# KiCad board right.kicad_pcb (continued)
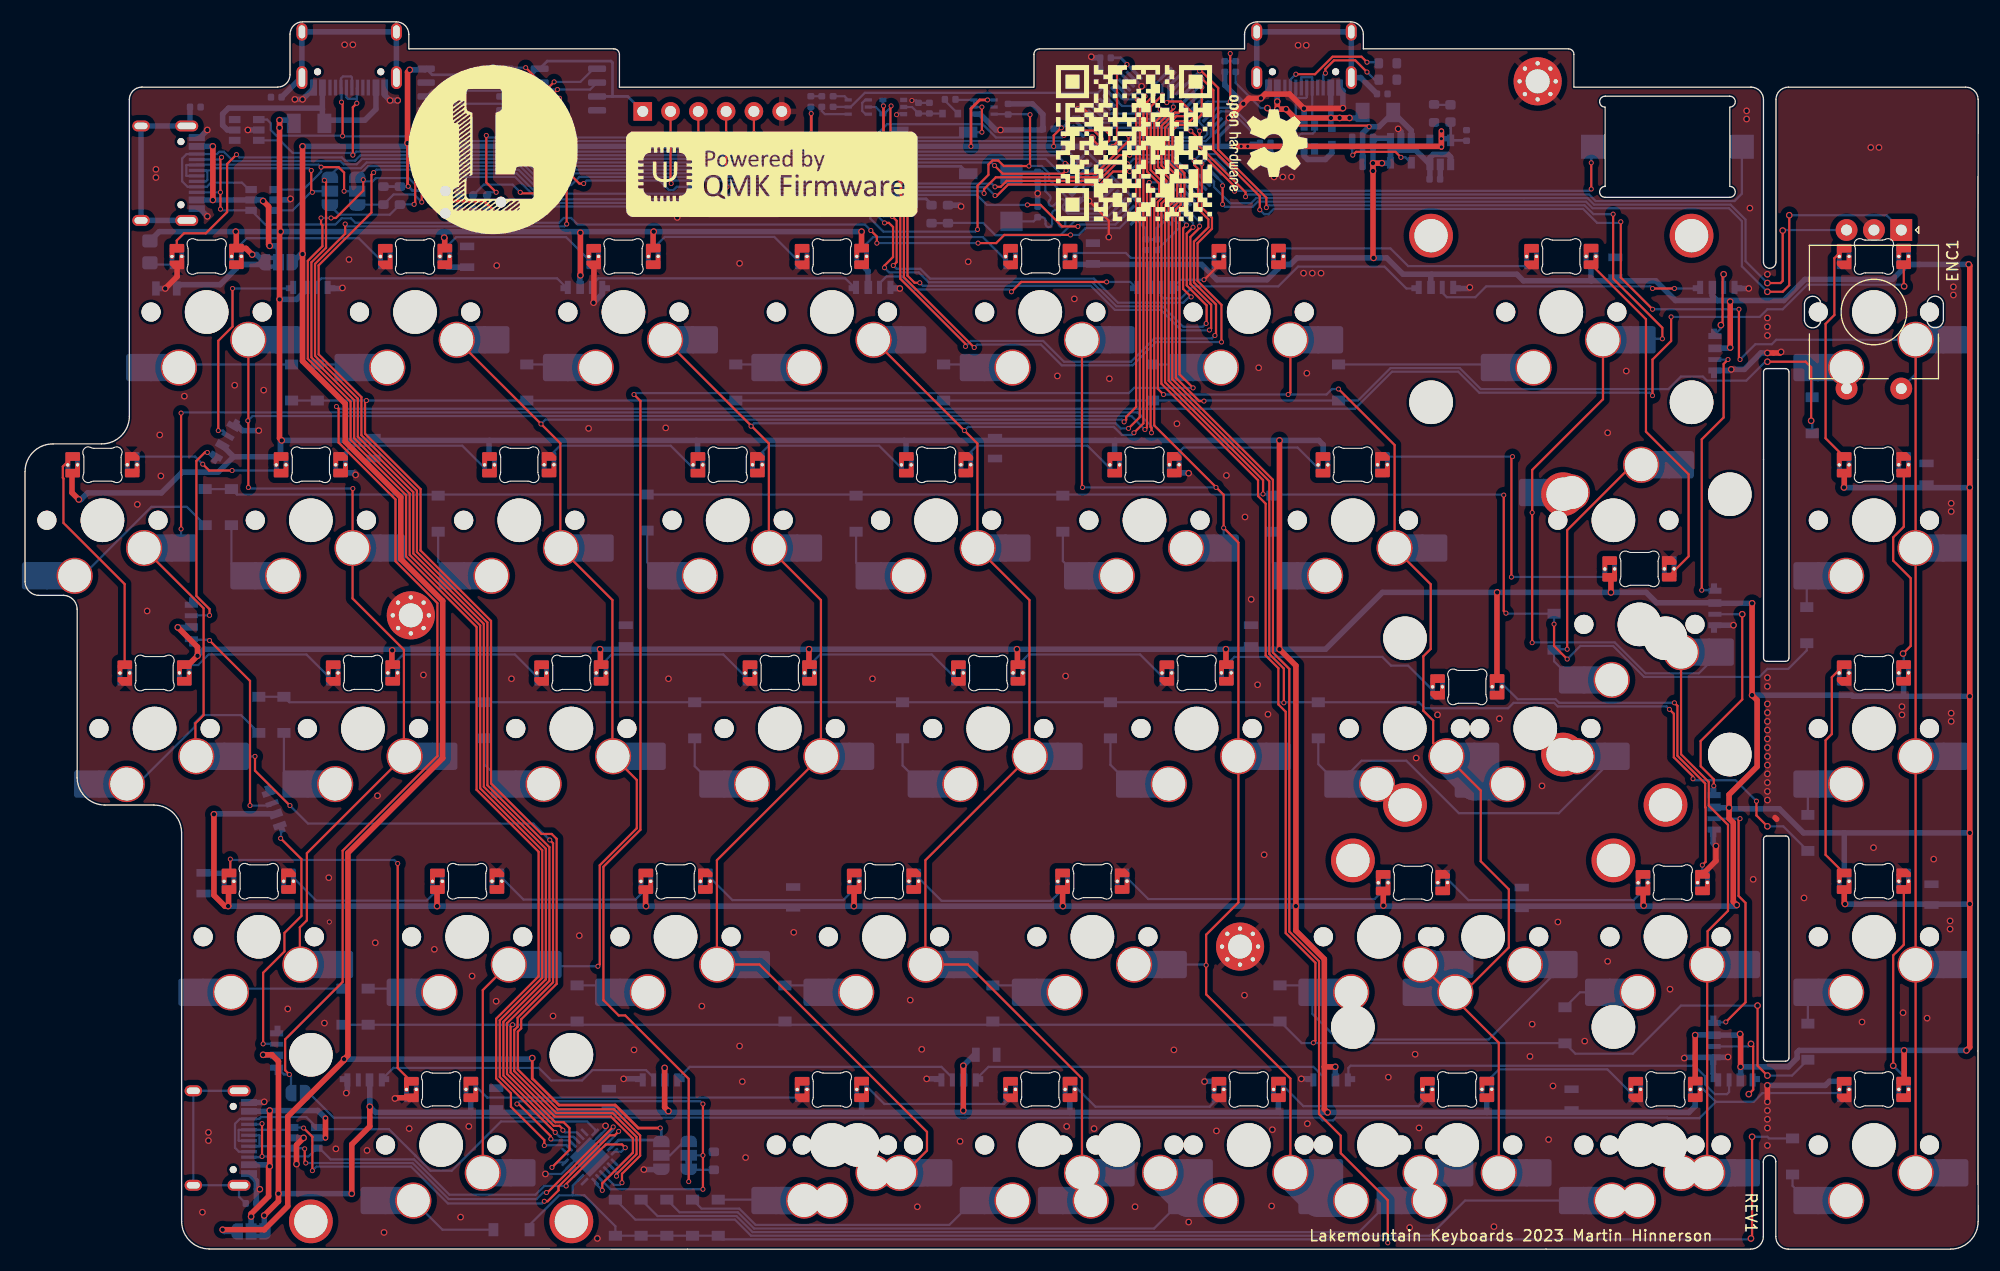
[diagram p0: board, top side]
## Routing (per net, layer and track width the routed paths; a pad name or vN(x,y) marks a point on that pad's centre or on a via; arc(x,y) is an arc through that point) (continued)
/BOOT0: length 62
  Top w0.203: v2(108.26,84.08) 108.42,84.24 108.42,86.39 106.52,88.29 106.52,92.58 107.36,93.43 v2(107.36,93.58) ; v2(79.16,104.58) 79.11,104.52 79.11,99.34 80.66,97.78 80.66,89.04 81.31,88.4 v2(81.79,88.4)
  Bottom w0.203: Q2.2 77.76,104.48 U5.4 ; U1.60 107.36,93.98 v2(107.36,93.58) ; v2(79.16,104.58) 79.16,104.48 78.51,103.83 ; v2(108.26,84.08) 108.23,84.05 105.69,84.05 103.82,85.92 99.62,85.92 97.42,88.12 82.07,88.12 v2(81.79,88.4)
/col0: length 224.1
  Top w0.203: v2(14.26,76.48) v2(14.26,65.88) ; v2(102.96,74.68) 102.96,75.13 102.88,75.21 102.88,96.8 v2(103.06,96.98) ; v2(47.96,37.43) 48.26,37.13 48.26,24.41 45.02,21.16 45.02,20.34 44.75,20.07 44.71,20.07 44.71,16.29 48.55,12.46 53.7,12.46 55.89,10.26 55.89,8.69 54.06,6.86 v2(54.06,6.68) ; 10.81,64.13 16.32,58.62 16.32,48.85 15.57,48.1 15.57,45.08 ; v2(24.21,40.58) 21.02,43.77 v2(21.02,45.08)
  Bottom w0.203: U9.8 54.06,7.05 v2(54.06,6.68) ; v2(102.96,74.68) 102.96,75.28 101.7,76.54 14.32,76.54 v2(14.26,76.48) ; v2(24.21,40.58) 25.86,38.93 46.46,38.93 v2(47.96,37.43) ; v2(21.02,45.08) 19.2,45.08 ; U1.59 105.07,96.98 v2(103.06,96.98) ; v2(14.26,65.88) 14.26,64.31
/col1: length 182.2
  Top w0.203: v2(102.76,97.58) 102.55,97.37 102.55,75.17 v2(102.36,74.98) ; 25.12,26.03 25.12,29.44 25.76,30.08 25.76,36.22 34.63,45.08 34.63,54.83 29.94,59.53 SWb2.1 29.94,69.55 v2(29.96,69.58) ; v2(20.41,69.68) 20.41,75.73 v2(20.36,75.78) 20.41,75.83 SWa1.1
  Bottom w0.203: v2(29.96,69.58) 20.51,69.58 v2(20.41,69.68) ; v2(20.36,75.78) 20.79,76.21 101.13,76.21 v2(102.36,74.98) ; v2(102.76,97.58) 102.77,97.59 105.17,97.59 U1.58
/col2: length 175.3
  Top w0.203: SWa2.1 48.93,73.71 48.93,64.13 53.69,59.37 53.69,45.08 ; v2(52.36,25.88) 52.53,26.05 52.53,35.11 55.92,38.5 55.92,42.91 SWc3.1 ; 44.18,26.03 41.84,23.7 SWe1.1 ; v2(100.46,75.68) 100.65,75.87 100.65,76.14 101.56,77.04 101.56,104.38 v2(101.36,104.58)
  Bottom w0.203: v2(100.46,75.68) 100.26,75.88 47.56,75.88 v2(47.16,75.48) ; v2(101.36,104.58) 100.26,104.58 99.45,105.39 ; v2(52.36,25.88) 47.93,25.88
/col3: length 167.5
  Top w0.203: v2(101.66,105.18) 101.89,104.95 101.89,76.11 v2(100.86,75.08) ; SWe2.1 80.41,6.98 82.44,9.02 82.44,10.73 67.13,26.03 63.24,26.03 63.24,35.57 72.75,45.08 72.75,59.37 67.99,64.13 67.99,73.7 SWa3.1
  Bottom w0.203: U1.27 100.4,105.18 v2(101.66,105.18) ; v2(100.86,75.08) 100.16,75.08 99.69,75.55 66.63,75.55 v2(66.36,75.28)
/col5: length 146.6
  Top w0.203: SWa5.1 96.61,69.73 v2(96.66,69.68) ; v2(103.26,106.18) 103.26,105.64 102.56,104.94 102.56,98.58 103.66,97.48 103.66,96.38 103.21,95.93 103.21,75.35 109.56,69 v2(109.56,65.98) 110.91,64.63 110.91,31.71 107.96,28.76 107.96,23.31 115.66,15.61 SWe4.1
  Bottom w0.203: SWd5.1 107.91,26.03 v2(107.96,25.98) ; v2(103.26,106.18) 103.26,106.52 U1.33 ; v2(109.56,65.98) 109.56,64.26 ; v2(96.66,69.68) v2(108.86,69.68)
  Bottom w3: 121.22,4.44 118.2,4.44 SWe4.1
/col6: length 149.9
  Top w0.203: 126.66,26.93 134.71,18.88 SWe5.1 ; 125.17,64.13 128.49,60.82 128.49,54.91 127.81,54.23 127.81,49.26 128.71,48.36 128.71,46.3 SWc7.1 133.06,41.95 133.06,35.48 135.63,32.91 135.63,27.6 131.52,23.49 ; v2(115.46,78.18) 115.66,78.38 SWa6.1 ; v2(120.06,78.68) 125.18,73.56 SWb7.1 ; v2(103.96,105.58) 102.89,104.51 102.89,98.71 103.99,97.61 103.99,96.24 103.54,95.79 103.54,78.7 v2(104.06,78.18)
  Bottom w0.203: U1.34 103.96,106.51 v2(103.96,105.58) ; v2(120.06,78.68) 119.46,78.68 118.96,78.18 v2(115.46,78.18) v2(104.06,78.18)
  Bottom w3: SWcx7.2 132.47,42.54 SWc7.1 ; SWd9.2 128.29,25.95 127.57,25.95
/col7: length 165.4
  Top w0.203: v2(145.16,94.68) 145.16,88.78 149.66,84.28 v2(149.66,83.28) ; v2(113.46,95.28) 113.46,96.18 109.06,100.58 109.06,106.22 107.51,107.78 v2(107.36,107.78) ; SWa7.1 144.24,77.75 137.76,71.28 v2(137.76,67.38) v2(137.76,55.48) ; SWe6.1 SWd7.1 ; 151.37,53.98 151.37,45.27 153.91,42.73 153.91,40.57 155.66,38.81 155.66,30.95 153.8,29.08 153.8,26.07
  Bottom w0.203: v2(113.46,95.28) 113.67,95.49 142.55,95.49 143.36,94.68 v2(145.16,94.68) ; v2(137.76,67.38) 137.76,69.15 ; 105.72,106.14 v2(107.36,107.78) ; v2(137.76,55.48) 137.79,55.51 145.3,55.51 148.13,52.68 153,52.68 SWb8.1 ; v2(149.66,83.28) 147.88,83.28
/col8: length 169.9
  Top w0.203: v2(148.76,85.98) 145.86,88.88 v2(145.86,93.98) ; SWe7.1 SWd8.1 SWc8.1 SWb9.1 SWa8.1 ; v2(107.56,107.08) 108.62,106.02 108.62,100.55 112.86,96.31 v2(112.86,95.08) ; v2(156.76,81.38) 156.66,81.48 v2(156.66,85.98)
  Bottom w0.203: v2(112.86,95.08) 113.26,94.68 113.66,94.68 114.14,95.16 142.42,95.16 143.69,93.88 145.76,93.88 v2(145.86,93.98) ; ENC1.S2 172.81,80.03 SWa8.1 160.07,83.18 159.66,82.78 158.16,82.78 v2(156.76,81.38) ; U1.38 107.36,107.08 v2(107.56,107.08) ; v2(148.76,85.98) v2(156.66,85.98)
/CONN2_CS: length 96.2
  Top w0.203: v2(77.86,92.03) 77.86,92.63 v2(77.31,93.18) ; v2(17.96,99.88) 17.86,99.78 v2(17.86,96.68) v2(17.86,95.14) ; v2(95.56,92.78) 89.51,92.78 88.76,92.03 v2(87.11,92.03)
  Bottom w0.203: J6.B8 17.86,96.67 v2(17.86,96.68) ; v2(17.96,99.88) 17.76,99.67 J6.A8 ; v2(87.11,92.03) v2(77.86,92.03) ; v2(17.86,95.14) 17.97,95.03 U11.4 21.96,93.73 28.36,93.73 28.93,94.3 29.79,94.3 30.2,93.89 48.81,93.89 49.25,94.33 49.91,94.33 50.51,93.73 76.76,93.73 v2(77.31,93.18) ; v2(95.56,92.78) 96.31,92.78 96.94,93.4 100.04,93.4 U1.2
/CONN_CS: length 180.8
  Top w0.203: v2(91.62,95.52) 92.83,95.52 94.8,93.55 v2(96.24,93.55) ; v2(31.86,98.48) 31.66,98.28 31.66,94.82 26.84,90 26.84,81.85 30.75,77.94 30.75,74.46 35.82,69.39 35.82,63.77 42.26,57.33 42.26,42.43 47.93,36.76 47.93,24.54 44.05,20.67 44.05,16.02 48.47,11.61 49.23,11.61 49.76,11.08 49.76,9.08 v2(48.16,7.48)
  Bottom w0.203: v2(48.16,7.48) 48.63,7.94 U9.18 ; v2(91.62,95.52) 87.92,95.52 87,96.45 78.69,96.45 77.06,98.08 50.66,98.08 49.91,97.34 46.52,97.34 45.11,98.74 32.13,98.74 v2(31.86,98.48) ; U1.3 99.67,93.73 96.42,93.73 v2(96.24,93.55)
/CONN_SEL: length 163.9
  Top w0.203: v2(107.56,106.28) 107.56,103.79 106.61,102.84 105.38,102.84 104.87,102.34 104.87,99.54 105.97,98.44 105.97,95.42 105.52,94.97 105.52,80.03 v2(106.77,78.78) ; v2(60.66,6.18) 60.66,15.58 54.86,21.38 54.26,21.38 52.86,22.78 52.86,34.98 56.25,38.36 56.25,77.59 v2(55.66,78.18)
  Bottom w0.203: U1.39 107.26,106.28 v2(107.56,106.28) ; v2(60.66,6.18) JP13.1 ; v2(55.66,78.18) 55.79,78.31 100.89,78.31 101.37,78.78 v2(106.77,78.78) ; R15.1 60.69,7.25
/DO60: length 144.6
  Bottom w0.203: 154.55,13.48 158.01,13.48 158.81,14.28 165.86,14.28 ; 154.55,13.48 153.05,11.98 150.16,11.98 150.12,12.02 119.81,12.02 119.56,11.78 118.61,11.78 118.36,12.02 28.22,12.02 25.96,14.28 ; 154.55,13.48 LEDe5.2
/DO65: length 229.1
  Top w0.203: LEDa8.2 171.73,88.11 v1(171.76,88.08) ; v2(24.16,15.98) 23.78,16.37 23.78,19.19 29.03,24.45 29.03,36.45 37.69,45.11 37.69,59.1 33.86,62.93 33.86,68.58 28.66,73.78 28.66,76.88 v2(28.46,77.08) ; v2(148.76,78.08) 148.76,81.38 150.46,83.08 v2(150.46,85.28)
  Bottom w0.203: v2(150.46,85.28) 158.56,85.28 159.26,85.98 160.66,85.98 162.91,88.22 171.62,88.22 v1(171.76,88.08) ; LEDs4.3 23.67,15.98 v2(24.16,15.98) 24.31,15.83 JP1.2 ; v2(28.46,77.08) 28.66,76.88 121.56,76.88 124.95,80.27 131.01,80.27 132.93,78.35 148.49,78.35 v2(148.76,78.08)
/EEPROM_CS: length 62.6
  Top w0.203: v2(47.26,99.48) 47.63,99.85 47.63,104.25 47.93,104.55 47.93,106.35 v2(48.36,106.78)
  Bottom w0.203: 51.97,107.98 50.76,106.78 v2(48.36,106.78) ; U1.14 96.3,98.15 94.89,98.15 93.31,99.73 47.52,99.73 v2(47.26,99.48)
/ENC_A: length 78.6
  Top w0.203: v2(109.46,95.58) v2(109.46,97.28) ; v1(161.26,94.58) 161.26,88.18 160.66,87.58 v1(159.26,87.58)
  Bottom w0.203: v1(161.26,94.58) 170.15,94.58 ENC1.A ; v1(159.26,87.58) 156.93,89.91 156.93,94.04 155.76,95.22 143.29,95.22 142.69,95.82 112.67,95.82 112.2,95.35 109.69,95.35 v2(109.46,95.58) ; U1.52 109.46,97.53 v2(109.46,97.28)
/ENC_B: length 69.9
  Top w0.203: v1(159.26,88.38) 160.46,88.38 160.66,88.58 v1(160.66,93.18)
  Bottom w0.203: ENC1.B 160.71,93.22 v1(160.66,93.18) ; U1.53 108.68,97.61 108.68,97.16 110.16,95.68 112.06,95.68 112.53,96.15 142.83,96.15 143.43,95.55 155.89,95.55 157.26,94.18 157.26,90.38 v1(159.26,88.38)
/F0: length 14.6
  Bottom w0.203: Y1.1 92.19,94.02 C22.1 92.98,94.39 arc(93.19,94.31) 93.28,94.09 93.28,93.79 arc(93.37,93.58) 93.58,93.49 arc(93.79,93.58) 93.88,93.79 93.88,94.75 arc(93.97,94.96) 94.18,95.05 arc(94.39,94.96) 94.48,94.75 94.48,93.79 arc(94.57,93.58) 94.78,93.49 arc(94.99,93.58) 95.08,93.79 95.08,94.09 arc(95.17,94.31) 95.38,94.39 98.91,94.39 U1.5
/F1: length 14.2
  Bottom w0.203: U1.6 98.54,94.72 95.32,94.72 94.94,95.11 arc(94.85,95.32) 94.94,95.53 94.96,95.55 arc(95.05,95.77) 94.96,95.98 arc(94.75,96.07) 94.54,95.98 94.06,95.5 arc(93.85,95.42) 93.64,95.5 arc(93.55,95.72) 93.64,95.93 93.66,95.95 arc(93.75,96.17) 93.66,96.38 93.26,96.78 93.26,98.28 92.98,98.56 C23.1 90.39,98.56
/FLASH_CS: length 78
  Top w0.203: v2(95.08,99.32) 95.23,99.32 96.18,98.38 97.86,98.38 100.86,101.38 v2(100.86,101.88) ; v2(46.66,99.78) 47.3,100.42 47.3,104.38 47.6,104.68 47.6,106.24 v2(45.76,108.08)
  Bottom w0.203: v2(100.86,101.88) 101.05,101.69 107.78,101.69 108.06,101.97 108.06,102.36 107.33,103.09 107.33,103.52 U1.43 ; v2(95.08,99.32) 94.33,100.07 46.95,100.07 v2(46.66,99.78) ; v2(45.76,108.08) 43.96,108.08
/I2C1_SCL: length 102.8
  Top w0.203: v2(107.96,84.68) 108,84.72 108,86.34 106.19,88.16 106.19,92.9 v2(106.76,93.48) ; v2(78.56,89.78) 78.56,89.98 79.34,90.76 79.34,93.5 78.96,93.88 v2(78.56,93.88) ; v2(36.56,97.88) 36.26,97.58 v2(36.26,95.78)
  Bottom w0.203: 30.44,95.55 R2.2 33.69,96.48 35.56,96.48 v2(36.26,95.78) ; v2(106.76,93.48) 106.76,93.87 U1.61 ; v2(78.56,89.78) 78.99,89.35 81.69,89.35 82.59,88.45 97.56,88.45 99.76,86.25 103.99,86.25 105.86,84.38 107.66,84.38 v2(107.96,84.68) ; v2(78.56,93.88) 77.63,94.81 77.63,95.64 76.51,96.76 65.11,96.76 64.06,95.71 47.17,95.71 44.79,98.08 36.77,98.08 v2(36.56,97.88)
/I2C1_SDA: length 100.1
  Top w0.203: v2(106.16,93.68) 105.86,93.37 105.86,87.84 v2(106.59,87.11) ; v2(79.36,89.98) 79.67,90.29 79.67,94.07 v2(79.26,94.48) ; v2(35.66,98.18) 35.66,95.68 v2(35.56,95.58)
  Bottom w0.203: v2(106.59,87.11) 106.41,87.11 105.88,86.58 99.9,86.58 97.7,88.78 82.73,88.78 81.83,89.68 79.66,89.68 v2(79.36,89.98) ; v2(35.56,95.58) 34.29,95.58 ; R8.2 33.34,94.63 28.71,94.63 JP3.3 ; v2(79.26,94.48) 78.46,94.48 77.96,94.98 77.96,95.78 76.65,97.09 64.98,97.09 63.92,96.04 47.3,96.04 44.93,98.41 35.9,98.41 v2(35.66,98.18) ; U1.62 106.16,93.76 v2(106.16,93.68)
/JTCK: length 108.9
  Top w0.203: v2(45.26,96.68) 45.36,96.58 v2(47.86,96.58) ; v2(64.16,97.18) 64.08,97.26 J2.4 ; v2(78.56,95.28) 79.3,95.28 80,94.57 80,88.77 85.96,82.81 v2(85.96,82.58) ; v2(108.76,83.58) 108.86,83.68 108.86,86.41 106.85,88.43 106.85,92.16 108.16,93.48 108.16,94.21 107.23,95.14 107.23,98.81 106.86,99.18 v2(106.86,99.58)
  Bottom w0.203: v2(45.26,96.68) 44.56,97.38 41.93,97.38 J4.4 ; v2(78.56,95.28) 78.56,95.64 76.78,97.42 64.41,97.42 v2(64.16,97.18) 63.53,96.55 47.89,96.55 v2(47.86,96.58) ; v2(106.86,99.58) 107.46,100.18 108.94,100.18 U1.49 ; v2(108.76,83.58) 108.49,83.31 103.23,83.31 101.1,81.18 94.96,81.18 93.06,83.08 86.46,83.08 v2(85.96,82.58)
/JTDI: length 88.8
  Top w0.203: J2.2 59,97.54 v2(59.06,97.48) ; v2(107.56,99.28) 107.56,95.28 108.49,94.35 108.49,93.34 107.18,92.02 107.18,88.57 109.36,86.38 v2(109.36,82.98) ; v2(86.76,82.48) 80.33,88.91 80.33,94.71 v2(79.16,95.88)
  Bottom w0.203: v2(59.06,97.48) 59.06,97.58 59.24,97.75 76.92,97.75 78.79,95.88 v2(79.16,95.88) ; U1.50 108.74,99.67 107.95,99.67 v2(107.56,99.28) ; v2(86.76,82.48) 86.76,82.48 87.03,82.75 92.86,82.75 94.76,80.85 101.23,80.85 103.36,82.98 v2(109.36,82.98)
/JTDO: length 238.2
  Top w0.203: v2(47.46,9.48) 47.46,9.98 44.41,13.03 44.41,14.26 43.06,15.61 43.06,21.08 46.94,24.95 46.94,36.35 41.27,42.02 41.27,56.92 34.83,63.36 34.83,68.98 29.75,74.05 29.75,77.53 25.85,81.44 25.85,90.41 27.18,91.74 27.18,93.66 27.06,93.78 v2(27.06,94.33) ; v2(30.91,97.83) 30.91,96.83 28.41,94.33 v2(27.97,94.33) ; v2(48.86,105.28) 48.65,105.06 49.19,104.51 49.19,103.64 48.62,103.07 48.62,99.94 49.96,98.6 v2(49.96,98.18) 50.66,97.48 v2(51.06,97.48) ; J2.3 61.54,97.36 v2(61.36,97.18) ; v2(100.96,100.08) 100.03,100.08 98,98.05 88.73,98.05 87.66,96.98 v2(87.66,96.58)
  Bottom w0.203: U9.20 49.48,9.51 47.5,9.51 v2(47.46,9.48) ; 30.76,97.68 31.76,97.68 32.06,97.98 35.06,97.98 35.76,97.28 37.26,97.28 37.63,97.64 38.8,97.64 39.69,96.75 J4.6 ; U1.55 104.8,100.08 v2(100.96,100.08) ; v2(87.66,96.58) 87.46,96.78 78.83,96.78 77.19,98.41 50.2,98.41 v2(49.96,98.18) 49.45,97.67 46.66,97.67 45.25,99.07 31.36,99.07 JP4.1 ; v2(61.36,97.18) 59.56,97.18 59.26,96.88 58.86,96.88 57.99,97.75 51.34,97.75 v2(51.06,97.48) ; 36.66,105.44 37.19,105.97 44.97,105.97 45.5,105.44 48.7,105.44 v2(48.86,105.28) ; v2(27.97,94.33) v2(27.06,94.33)
/JTMS: length 78.5
  Top w0.203: v2(94.96,101.88) 95.41,102.32 97.71,102.32 98.36,101.67 v2(98.36,101.58) ; v2(42.16,101.88) 42.16,97.58 v2(43.06,96.68) ; J2.5 66.62,102.12 v2(66.76,101.98)
  Bottom w0.203: v2(98.36,101.58) 98.58,101.36 107.95,101.36 108.39,101.8 108.39,102.46 U1.46 ; v2(94.96,101.88) 94.78,101.69 88.75,101.69 87.53,102.91 78.79,102.91 77.58,101.69 67.05,101.69 v2(66.76,101.98) 66.48,101.69 42.35,101.69 v2(42.16,101.88) ; v2(43.06,96.68) 42.5,96.68 J4.2
/NRST: length 78.2
  Top w0.203: v2(87.06,93.28) 87.06,97.28 88.06,98.28 88.06,99.22 88.42,99.59 88.96,99.59 89.46,99.08 v2(91.76,99.08) 91.86,99.18 v2(91.86,103.78)
  Bottom w0.203: U1.7 98.28,95.18 96.26,95.18 93.59,97.85 93.59,98.41 92.92,99.09 91.77,99.09 v2(91.76,99.08) ; J4.3 41.88,94.23 44.13,94.23 45.28,95.38 64.2,95.38 65.25,96.43 76.31,96.43 77.26,95.48 77.26,94.28 78.46,93.08 86.86,93.08 v2(87.06,93.28) ; Q1.6 91.81,103.83 v2(91.86,103.78)
/RGB_DATA: length 93.8
  Top w0.203: v2(95.16,98.68) 94.86,98.38 89.36,98.38 v2(88.61,99.13) ; LEDa1.3 13.87,92.27 14.52,92.92 16.52,92.92 18.47,94.87 18.47,99.27 v2(19.33,100.12)
  Bottom w0.203: v2(95.16,98.68) 95.26,98.58 96.03,98.58 U1.15 ; v2(88.61,99.13) 88.34,99.4 48.72,99.4 47.97,98.66 47.07,98.66 45.66,100.07 30.67,100.07 30.17,99.57 29.26,99.57 28.96,99.87 19.58,99.87 v2(19.33,100.12) ; LEDa1.3 11.58,90.06
/row0: length 275.1
  Top w0.203: v1(159.26,81.18) 162.76,81.18 163.26,80.68 v1(163.26,75.78) ; v2(107.76,77.58) 107.33,77.58 105.19,79.71 105.19,95.11 105.64,95.56 105.64,98.3 104.54,99.4 104.54,102.47 105.24,103.17 106.47,103.17 106.77,103.47 106.77,103.89 105.67,104.99 104.47,104.99 v2(104.36,104.88) ; v2(31.2,77.63) 31.08,77.5 31.08,74.6 36.15,69.52 36.15,63.91 42.59,57.47 42.59,42.6 47.21,37.98 48.14,37.98 48.59,37.53 48.59,24.27 45.35,21.03 45.35,20.2 45.04,19.9 45.04,16.43 48.69,12.79 53.83,12.79 56.22,10.4 56.22,8.55 54.56,6.89 v2(54.56,6.08)
  Bottom w0.203: Da8.1 163.36,75.68 v1(163.26,75.78) ; v2(54.56,6.08) 54.36,5.88 53.82,5.88 U9.10 ; U1.35 104.5,106.34 104.5,105.02 v2(104.36,104.88) ; v1(159.26,81.18) 159.06,81.18 157.33,79.45 153.74,79.45 153.37,79.82 151.36,79.82 150.22,78.68 133.06,78.68 131.14,80.6 124.82,80.6 121.85,77.63 Da7.1 Da1.1
/row1: length 206.5
  Top w0.203: v2(135.36,58.18) 135.16,58.38 v2(135.16,68.98) ; v2(139.76,57.18) 139.76,55.18 v2(140.96,53.98) ; v2(104.96,104.48) 104.96,104.29 103.55,102.88 103.55,98.99 104.65,97.89 104.65,95.97 104.2,95.52 104.2,79.3 113.16,70.34 v2(113.16,69.08)
  Bottom w0.203: v2(135.16,68.98) 135.12,69.02 114.16,69.02 ; Db1.1 Db2.1 19.37,69.02 113.97,69.02 ; Db11.1 162.86,54.77 161.17,53.08 159.26,53.08 158.53,52.35 147.99,52.35 145.16,55.18 142.16,55.18 v2(140.96,53.98) ; v2(135.36,58.18) 135.41,58.13 Db10.1 v2(139.76,57.18) ; U1.36 104.85,105.99 104.85,105.11 104.96,105 v2(104.96,104.48)
/row2: length 219.4
  Top w0.203: v2(152.46,43.03) 152.46,43.24 150.71,44.99 150.71,48.97 v2(150.31,49.38) ; v2(115.06,49.98) 115.06,53.11 113.73,54.44 113.73,70.24 104.53,79.44 104.53,95.38 104.98,95.83 104.98,98.03 103.88,99.13 103.88,102.75 105.11,103.97 105.45,103.97 v2(105.66,104.18) ; v1(159.26,38.68) 158.26,39.68 v2(158.26,40.98)
  Bottom w0.203: U1.22 98.67,103.38 104.86,103.38 v2(105.66,104.18) ; v2(158.26,40.98) 156.35,42.89 152.6,42.89 v2(152.46,43.03) ; v1(159.26,38.68) 160.71,38.68 Dc7.1 ; Dc1.1 Dc2.1 24.16,50.03 Db8.1 127.41,50.03 127.96,49.48 135.56,49.48 136.06,49.97 139.77,49.97 140.09,49.65 150.04,49.65 v2(150.31,49.38)
/row3: length 266.1
  Top w0.203: v2(44.56,20.53) 44.38,20.35 44.38,16.16 48.41,12.13 53.56,12.13 55.56,10.12 55.56,8.82 52.76,6.02 v2(52.76,5.38) ; v2(117.76,18.88) 117.95,19.07 117.95,26.2 115.23,28.91 115.23,49.16 114.56,49.83 114.56,53.14 113.4,54.3 113.4,68.19 112.71,68.89 112.71,70.34 103.87,79.17 103.87,95.66 104.32,96.1 104.32,97.75 103.22,98.85 103.22,103.02 103.76,103.56 v2(103.76,104.28) ; v1(159.26,15.88) 158.36,16.78 v1(158.36,22.28)
  Bottom w0.203: Dd1.1 114.41,20.53 ; U9.12 52.11,6.03 v2(52.76,5.38) ; v1(159.26,15.88) 161.51,15.88 Dd8.1 ; U1.23 98.88,103.87 99.31,103.87 99.32,103.88 103.36,103.88 v2(103.76,104.28) ; Dd6.1 116.69,18.85 140.74,18.85 ; v1(158.36,22.28) 151.36,22.28 146.96,17.88 141.71,17.88 Dd7.1
/row4: length 244.8
  Top w0.203: v2(106.26,103.68) 106.22,103.64 105.24,103.64 104.21,102.61 104.21,99.26 105.31,98.16 105.31,95.69 104.86,95.25 104.86,79.58 114.06,70.38 114.06,54.58 115.56,53.08 115.56,29.05 118.28,26.33 118.28,12.36 120.26,10.38 120.26,8.78 124.56,4.48 v2(124.56,0.58) ; v1(157.86,10.28) 157.86,1.08 v1(157.76,0.98)
  Bottom w0.203: U1.41 106.62,104.22 106.62,104.04 v2(106.26,103.68) ; v1(157.86,10.28) 159.26,10.28 159.41,10.13 De6.1 ; 124.56,0.9 157.68,0.9 v1(157.76,0.98) ; 124.56,0.9 63.69,0.9 ; 124.56,0.9 v2(124.56,0.58) ; 50.06,4.92 50.06,5.8 U9.14 ; 50.06,4.92 48.83,4.92 45.96,2.06 ; 50.06,4.92 51.12,4.92 53.96,2.09 De5.1 De3.1
/SPI_MISO: length 248
  Top w0.203: v2(29.26,93.78) 29.26,92.89 26.51,90.13 26.51,81.71 30.42,77.8 30.42,74.32 35.49,69.25 35.49,63.64 41.93,57.19 41.93,42.3 47.6,36.63 47.6,24.68 43.72,20.8 43.72,15.88 48.33,11.28 48.86,11.28 49.16,10.98 v2(49.16,10.88) ; v2(48.66,106.08) 48.26,105.68 48.26,104.98 48.86,104.38 48.86,103.78 48.29,103.21 48.29,99.57 48.96,98.9 v2(48.96,98.88) 49.51,98.34 49.51,93.79 v2(49.51,93.78) ; v2(100.76,99.28) 99.7,99.28 98.14,97.72 89.72,97.72 89.18,97.18 v2(88.66,97.18)
  Bottom w0.203: v2(49.51,93.78) 49.3,93.56 29.48,93.56 v2(29.26,93.78) ; v2(49.16,10.88) 49.36,10.68 50.44,10.68 U9.23 ; U7.2 51.65,106.08 46.26,106.08 45.63,106.71 U8.2 ; 20.46,96.93 19.83,97.56 17.01,97.56 16.62,97.17 J6.A5 14.87,97.17 14.36,97.68 14.36,99.77 14.77,100.17 J6.B5 17.54,100.17 17.75,100.39 18.17,100.39 19.02,99.54 28.82,99.54 29.12,99.24 30.31,99.24 30.8,99.73 45.52,99.73 46.93,98.33 48.11,98.33 48.66,98.88 v2(48.96,98.88) 49.16,99.07 77.47,99.07 79.06,97.48 88.36,97.48 v2(88.66,97.18) ; U1.56 104.42,99.75 101.35,99.75 100.88,99.28 v2(100.76,99.28)
/SPI_MOSI: length 204.6
  Top w0.203: v2(88.66,96.38) 88.85,96.38 89.86,97.39 98.27,97.39 99.46,98.58 v2(100.96,98.58) ; v2(48.9,98.17) 47.96,99.11 47.96,103.78 v2(48.26,104.08) ; v2(48.46,10.68) 43.39,15.75 43.39,20.94 47.27,24.82 47.27,36.49 41.6,42.16 41.6,57.06 35.16,63.5 35.16,69.11 30.08,74.19 30.08,77.67 26.18,81.58 26.18,90.27 27.51,91.61 27.51,97.63 v2(27.36,97.78)
  Bottom w0.203: v2(88.66,96.38) 87.89,97.15 78.93,97.15 77.33,98.74 49.66,98.74 49.09,98.17 v2(48.9,98.17) 48.72,98 46.79,98 45.38,99.4 31.22,99.4 30.7,98.88 28.56,98.88 27.86,98.18 ; U9.22 50.13,10.28 48.86,10.28 v2(48.46,10.68) ; U1.57 104.04,99.42 101.8,99.42 v2(100.96,98.58) ; v2(48.26,104.08) 48.17,104.17 U7.5 46.43,104.78 37.27,104.78 U8.5
/SPLIT_HAND_PIN: length 19.1
  Bottom w0.203: 82.86,93.85 84.36,93.85 ; 84.39,93.88 87.57,93.88 88.7,92.75 94.63,92.75 95.95,94.06 99.29,94.06 U1.4
/USART2_RX: length 83.7
  Top w0.203: v2(28.92,104.92) 29.02,104.82 v2(29.02,101.82)
  Bottom w0.203: U1.17 95.38,101.36 35.57,101.36 35.13,101.8 29.05,101.8 v2(29.02,101.82) 28.99,101.86 22.98,101.86 22.46,102.38 22.46,102.99 22.12,103.33 U10.1 ; J3.B7 28.88,107.09 29.06,107.28 29.78,107.28 29.88,107.19 J3.A7 ; v2(28.92,104.92) 28.92,106.21
/USART2_TX: length 84.2
  Top w0.203: v2(29.96,100.08) 29.96,104.46 v2(30.33,104.82)
  Bottom w0.203: U1.16 95.39,100.4 30.28,100.4 v2(29.96,100.08) 29.76,100.28 24.46,100.28 23.31,101.43 U10.3 ; J3.A6 29.38,105.36 29.51,105.23 30.33,105.23 ; v2(30.33,104.82) 30.33,105.23 ; 30.33,105.23 30.33,106.2 J3.B6
/USB_D+: length 17.9
  Bottom w0.203: U1.45 109.3,104.08 110.26,104.08 112.3,102.04 115.53,102.04 arc(115.74,101.96) 115.83,101.74 arc(115.92,101.53) 116.13,101.44 arc(116.34,101.53) 116.43,101.74 arc(116.52,101.96) 116.73,102.04 117.7,102.04 117.9,102.24 117.9,102.82 ; J1.A6 116.66,107.19 116.68,107.21 117.63,107.21 117.66,107.19 J1.B6 117.66,103.07
/USB_D-: length 18
  Bottom w0.203: 115.97,102.85 115.49,102.38 115.27,102.38 arc(115.05,102.46) 114.97,102.68 114.97,103.05 arc(114.88,103.26) 114.67,103.35 arc(114.45,103.26) 114.37,103.05 114.37,102.68 arc(114.28,102.46) 114.07,102.38 arc(113.85,102.46) 113.77,102.68 113.77,103.05 arc(113.68,103.26) 113.47,103.35 arc(113.25,103.26) 113.17,103.05 113.17,102.68 arc(113.08,102.46) 112.87,102.38 112.43,102.38 110.4,104.41 108.93,104.41 U1.44 ; J1.A7 117.16,105.38 117.08,105.3 116.24,105.3 116.16,105.39 J1.B7 116.16,103.04
/USB_VBUS: length 17.3
  Top w0.508: v1(114.46,104.98) v1(114.46,104.28) v1(115.26,104.28) 116.06,103.48 v1(119.36,103.48) v1(121.06,103.48)
  Bottom w0.508: 119.36,106.26 119.36,103.48 v1(119.36,103.48) ; F1.2 121.77,103.48 v1(121.06,103.48) v1(120.16,103.48) v1(119.36,103.48) ; v1(119.36,103.48) 119.36,102.58 D2.2 ; v1(115.26,104.28) v1(114.46,104.28) v1(114.46,104.98) 114.46,104.98 J1.A4
/USB_VBUS_FUSED: length 24.1
  Top w0.203: v1(113.56,104.38) 115.16,102.78 122.76,102.78 v2(122.86,102.68)
  Bottom w0.203: R10.1 110.66,106.68 112.96,104.38 v1(113.56,104.38)
  Bottom w0.508: 126.71,101.62 126.71,102.32 F1.1 ; Q3.3 122.26,102.08 v2(122.86,102.68) 123.76,102.68 125.06,103.97
/USB_VBUS_IN_LINK: length 21.6
  Bottom w0.508: 27.66,103.28 31.06,103.28 32.08,104.29 J3.A9 ; 27.18,104.28 27.08,104.38 18.6,104.38 18.06,103.84 18.06,102.81 18.5,102.38 U10.5 ; 27.18,104.28 27.18,103.16 ; 27.18,104.28 J3.A4
/VCAP_1: length 2.1
  Bottom w0.203: 99.25,107.98 99.73,107.98 U1.30
/z1: length 41
  Bottom w0.203: J5.A5 19.55,8.91 19.19,9.27 19.19,11.46 19.64,11.91 J5.B5 21.4,11.91 21.56,12.08 25.71,12.08 U3.4 ; 26.81,10.98 33.26,10.98 35.68,8.56 35.68,8.55 37.06,7.18 39,7.18 43.51,11.68 51.36,11.68 52.11,10.93 U9.1
/z2: length 42.9
  Top w0.203: v2(53.76,11.18) 53.75,11.18 47.75,5.18 v2(47.66,5.18) ; v2(25.66,7.88) 25.56,7.98 v2(25.56,9.18)
  Bottom w0.203: U3.1 25.51,9.23 v2(25.56,9.18) ; v2(47.66,5.18) 47.36,5.18 46.76,4.58 38.72,4.58 35.42,7.88 v2(25.66,7.88) ; 24.28,9.41 J5.B7 21.4,9.41 21.43,9.44 21.43,10.39 21.4,10.41 J5.A7 ; U9.3 53.76,10.92 v2(53.76,11.18)
/z3: length 46
  Top w0.203: v2(54.26,10.78) 53.9,10.41 53.45,10.41 48.76,5.72 48.76,5.38 47.76,4.38 v2(47.46,4.38) ; v2(25.46,11.08) 26.26,10.28 v2(26.26,7.18)
  Bottom w0.203: v2(47.46,4.38) 47.26,4.18 38.65,4.18 35.28,7.55 26.63,7.55 v2(26.26,7.18) ; v2(25.46,11.08) 25.41,11.13 U3.3 ; v2(54.26,10.78) 54.26,10.71 U9.4 ; J5.A6 19.55,9.91 19.52,9.94 19.52,10.89 19.55,10.91 J5.B6 24.25,10.91
/z4: length 43.7
  Top w0.203: v2(54.86,9.28) 54.56,9.58 53.08,9.58 49.46,5.96 v2(49.46,5.78) ; v2(21.66,11.48) v2(21.66,8.48)
  Bottom w0.203: v2(54.86,9.28) 54.5,8.91 U9.6 ; v2(49.46,5.78) 47.46,5.78 46.66,4.98 38.79,4.98 35.56,8.21 27.93,8.21 26.91,9.23 ; J5.B8 21.6,8.41 v2(21.66,8.48) 25.91,8.48 U3.6 ; v2(21.66,11.48) 21.6,11.41 J5.A8
Net-(D1-K): length 1.5
  Bottom w0.203: D1.2 128.83,104.68
Net-(D2-K): length 4.4
  Bottom w0.508: D2.1 119.46,100.28 118.86,99.68 117.23,99.68 116.92,99.99 U4.5
Net-(D3-Pad+): length 1
  Bottom w0.203: D3.+ R12.2
Net-(D3-Pad-): length 2.9
  Bottom w0.203: D3.- 72.83,104.11 73.11,103.83 Q2.4
Net-(Da1-A): length 10
  Bottom w0.203: Da1.2 14.34,80.93
Net-(Da2-A): length 4.3
  Bottom w0.203: Da2.2 31.03,80.93
Net-(Da3-A): length 2.5
  Bottom w0.203: Da3.2 48.33,80.93
Net-(Da4-A): length 2.4
  Bottom w0.203: Da4.2 67.38,80.93
Net-(Da5-A): length 2.5
  Bottom w0.203: Da5.2 86.43,80.93
Net-(Da6-A): length 2.4
  Bottom w0.203: Da6.2 105.48,80.93
Net-(Da7-A): length 14
  Bottom w0.203: Da7.2 134.05,80.93
Net-(Da8-A): length 2.3
  Bottom w0.203: Da8.2 163.36,80.19
Net-(Db1-A): length 14.5
  Bottom w0.203: Db1.2 14.78,67.91 11.55,67.91 5.24,61.59
Net-(Db2-A): length 5.1
  Bottom w0.203: 19.97,61.59 18.86,62.7 Db2.2
Net-(Db3-A): length 4.6
  Bottom w0.203: 39.03,61.59 37.76,62.86 Db3.2
Net-(Db4-A): length 4.6
  Bottom w0.203: Db4.2 56.86,62.82 58.09,61.59
Net-(Db5-A): length 4.5
  Bottom w0.203: Db5.2 75.96,62.78 77.15,61.59
Net-(Db6-A): length 4.6
  Bottom w0.203: Db6.2 94.86,62.94 96.21,61.59
Net-(Db7-A): length 4.5
  Bottom w0.203: 115.27,61.59 114.06,62.8 Db7.2
Net-(Db8-A): length 35.3
  Bottom w0.203: SWcx7.1 140.2,39.88 131.06,39.88 126.26,44.68 122.16,44.68 SWc7.2 118.21,44.36 Db8.2
Net-(Db9-A): length 70.9
  Bottom w0.203: 124.81,4.44 121.92,1.56 66.5,1.56 65.03,3.03 57.81,3.03 Db9.2
Net-(Db10-A): length 24
  Top w0.203: v2(140.96,54.88) 140.96,65.77 146.94,71.75
  Bottom w0.203: v2(140.96,54.88) 139.81,54.88 ; Db10.2 139.76,53.78 141.47,52.07
Net-(Db11-A): length 2.8
  Bottom w0.203: Db11.2 162.86,61.55
Net-(Dc1-A): length 14.9
  Bottom w0.203: 10,42.54 10.28,42.54 15.51,47.78 15.51,48.13 16.24,48.86 19.73,48.86 Dc1.2
Net-(Dc2-A): length 3.6
  Bottom w0.203: Dc2.2 23.66,43.61
Net-(Dc3-A): length 4.9
  Bottom w0.203: 43.79,42.54 42.01,44.32 Dc3.2
Net-(Dc4-A): length 4.9
  Bottom w0.203: Dc4.2 61.21,44.18 62.85,42.54
Net-(Dc5-A): length 4.9
  Bottom w0.203: Dc5.2 80.21,44.24 81.91,42.54
Net-(Dc6-A): length 4.9
  Bottom w0.203: Dc6.2 99.21,44.3 100.97,42.54
Net-(Dc7-A): length 2.8
  Bottom w0.203: Dc7.2 162.96,42.49
Net-(Dd1-A): length 10
  Bottom w0.203: Dd1.2 19.1,23.83
Net-(Dd2-A): length 2.6
  Bottom w0.203: Dd2.2 33.95,23.83
Net-(Dd3-A): length 2.2
  Bottom w0.203: Dd3.2 52.71,24.13
Net-(Dd4-A): length 2.3
  Bottom w0.203: Dd4.2 71.77,24.13
Net-(Dd5-A): length 2.4
  Bottom w0.203: Dd5.2 90.83,24.13
Net-(Dd6-A): length 31.1
  Bottom w0.203: Dd6.2 117.03,24.13 ; SWd9.1 133.78,19.18 120.01,19.18 117.67,21.52 SWd6.2
Net-(Dd7-A): length 3.7
  Bottom w0.203: Dd7.2 142.13,23.49 SWd7.2
Net-(Dd8-A): length 2.8
  Bottom w0.203: Dd8.2 162.96,23.44
Net-(De1-A): length 1.7
  Bottom w0.203: 84.08,105.06 De1.2
Net-(De1-K): length 3.8
  Bottom w0.203: R7.1 81.08,104.48 U5.2 ; De1.1 81.68,103.88
Net-(De2-A): length 8.4
  Bottom w0.203: De2.2 38.16,1.78 35.49,4.44
Net-(De3-A): length 4.2
  Bottom w0.203: 67.58,4.53 De3.2
Net-(De4-A): length 55.9
  Bottom w0.203: De4.2 59.82,3.37 65.15,3.37 66.64,1.89 103.2,1.89 105.76,4.44
  Bottom w3: 109.31,4.44 106.29,4.44 SWe9.1
Net-(De5-A): length 94.7
  Bottom w0.203: 141.06,4.53 145.53,4.53 ; 141.48,4.44 131.63,4.44 128.41,1.23 66.36,1.23 64.89,2.7 55.79,2.7 De5.2
Net-(De6-A): length 2.9
  Bottom w0.203: 162.91,4.44 161.56,5.79 De6.2
Net-(De7-A): length 27.6
  Bottom w0.203: 86.71,4.44 84.48,2.22 66.77,2.22 65.29,3.7 61.84,3.7 De7.2
Net-(J1-CC1): length 9.8
  Top w0.203: v2(122.66,108.58) 122.16,109.08 119.51,109.08 117.91,107.48 v2(116.16,107.48)
  Bottom w0.203: 123.64,108.58 v2(122.66,108.58) ; v2(116.16,107.48) 115.66,106.97 J1.A5
Net-(J1-CC2): length 7.7
  Top w0.203: v2(122.66,107.68) 121.59,108.75 119.65,108.75 118.86,107.96 v2(118.86,107.58)
  Bottom w0.203: R4.2 123.36,106.98 v2(122.66,107.68) ; J1.B5 118.66,107.37 v2(118.86,107.58)
Net-(J1-SHIELD): length 20
  Bottom w0.508: J1.S1 J1.S1 J1.S1 J1.S1 122.08,107.17 123.58,105.68
Net-(J3-SHIELD): length 19.5
  Bottom w0.508: 33.95,107.17 33.95,111.35 J3.S1 J3.S1 ; 25.24,107.17 FB2.1
Net-(J5-SHIELD): length 18.9
  Bottom w0.203: J5.S1 J5.S1 J5.S1 J5.S1 19.56,4.8 FB3.1
Net-(J6-SHIELD): length 18.9
  Bottom w0.508: J6.S1 J6.S1 J6.S1 J6.S1 15.08,103.04 FB4.1
Net-(JP2-C): length 19
  Top w0.508: v1(21.76,95.88) 22.26,95.38 22.26,91.88 v1(22.36,91.78) ; v1(17.16,100.88) 17.17,100.87 v1(17.17,95.97)
  Bottom w0.508: v1(21.76,95.88) 21.66,95.98 U11.5 ; 20.66,95.97 v1(17.17,95.97) J6.A4 ; JP2.2 23.16,91.54 22.92,91.78 v1(22.36,91.78) ; v1(17.16,100.88) 15.7,100.88
Net-(JP3-C): length 21.2
  Top w0.203: v2(26.26,96.68) 26.16,96.78 v2(26.16,98.68)
  Bottom w0.203: J6.B7 16.53,97.67 16.66,97.8 16.66,98.54 16.53,98.67 J6.A7 17.06,98.67 17.26,98.88 25.96,98.88 v2(26.16,98.68) ; JP3.2 26.22,96.78 24.47,95.03 U11.3
Net-(JP4-C): length 24.8
  Top w0.203: v2(27.06,98.98) 28.66,98.98 29.16,98.48 v2(29.16,96.78)
  Bottom w0.203: J6.B6 14.77,99.17 14.74,99.15 14.74,98.2 14.77,98.17 J6.A6 ; 15.73,99.21 26.83,99.21 v2(27.06,98.98) 27.06,98.56 25.43,96.93 U11.1 ; JP4.2 v2(29.16,96.78)
Net-(JP8-C): length 23.6
  Top w0.508: v1(22.36,12.68) v1(22.36,7.58) 22.26,7.48 22.26,4.83 20.66,3.23 v1(20.66,2.98) ; v2(27.46,11.98) v2(27.46,10.18)
  Bottom w0.508: v1(22.36,7.58) 22.23,7.71 20.47,7.71 ; v2(27.46,10.18) U3.5 ; v1(20.66,2.98) JP8.2 ; v2(27.46,11.98) 26.76,12.68 v1(22.36,12.68) 22.3,12.61 J5.A9
Net-(JP13-B): length 2.6
  Bottom w0.203: 60.26,9.88 58.96,8.58 JP5.2
Net-(JP13-C): length 43
  Top w0.203: v2(48.06,10.08) 48.06,10.33 45.11,13.28 v2(44.96,13.28) ; v2(61.96,13.28) v2(61.96,8.58) v2(61.96,5.48)
  Bottom w0.203: v2(61.96,5.48) 53.51,5.48 U9.11 ; v2(61.96,13.28) 61.71,13.53 45.22,13.53 v2(44.96,13.28) ; JP13.2 v2(61.96,8.58) ; v2(48.06,10.08) 48.19,9.95 49.75,9.95 U9.21
Net-(LEDa1-DOUT): length 15
  Bottom w0.203: LEDa2.3 30.51,92.48 20.26,92.48 LEDa1.2
Net-(LEDa2-DOUT): length 15.1
  Bottom w0.203: LEDa3.3 49.46,92.58 39.41,92.58 LEDa2.2
Net-(LEDa3-DOUT): length 15.1
  Bottom w0.203: LEDa4.3 68.49,92.6 58.48,92.6 LEDa3.2
Net-(LEDa4-DOUT): length 15.1
  Bottom w0.203: LEDa4.2 77.51,92.58 87.56,92.58 LEDa5.3
Net-(LEDa5-DOUT): length 13.6
  Bottom w0.203: 95.95,91.13 100.62,91.13 101.07,90.68 108.51,90.68 LEDa6.3
Net-(LEDa6-DOUT): length 23.6
  Bottom w0.203: 137.55,89.92 126.42,89.92 124.8,91.54 LEDa6.2
Net-(LEDa7-DOUT): length 32.9
  Top w0.203: LEDa7.2 148.16,85.07 148.16,74.78 152.06,70.88 152.06,63.38 150.3,61.62
Net-(LEDa8-DIN): length 20.4
  Top w0.203: LEDa8.3 165.38,90.65 165.38,85.45 164.58,84.65 164.58,74.17 LEDb9.2
Net-(LEDb1-DIN): length 13.9
  Top w0.203: v2(18.92,71.22) 16.82,71.22 v2(16.24,71.81)
  Bottom w0.203: v2(18.92,71.22) 23.18,71.22 ; v2(16.24,71.81) 15.56,72.49 LEDb1.3
Net-(LEDb1-DOUT): length 21.8
  Top w0.203: LEDc1.3 9.11,60.83 3.51,66.43 3.51,70.5 3.45,70.56 3.45,71.59 LEDb1.2
Net-(LEDb2-DIN): length 15
  Bottom w0.203: LEDb3.2 39.96,73.5 29.86,73.5 LEDb2.3
Net-(LEDb3-DIN): length 15
  Bottom w0.203: LEDb4.2 59.01,73.5 48.91,73.5 LEDb3.3
Net-(LEDb4-DIN): length 15
  Bottom w0.203: LEDb4.3 67.96,73.5 78.06,73.5 LEDb5.2
Net-(LEDb5-DIN): length 15
  Bottom w0.203: LEDb6.2 97.11,73.5 87.01,73.5 LEDb5.3
Net-(LEDb6-DIN): length 14.9
  Bottom w0.203: LEDb6.3 105.89,73.33 116.32,73.33 LEDb7.2
Net-(LEDb7-DIN): length 31.9
  Top w0.203: v2(135.86,61.48) 135.86,72.39 v2(135.96,72.49)
  Bottom w0.203: v2(135.96,72.49) LEDb7.3 ; LEDb8.2 135.87,61.49 v2(135.86,61.48)
Net-(LEDb9-DIN): length 19
  Top w0.203: v1(171.66,54.48) 172.36,55.18 172.36,61.38 170.76,62.98 170.76,65.11 171.73,66.08 LEDb9.3
  Bottom w0.203: v1(171.66,54.48) 171.73,54.41 LEDc8.2
Net-(LEDc1-DOUT): length 15
  Bottom w0.203: LEDc2.3 25.73,54.4 16.78,54.4 15.81,53.43 14.58,53.43
Net-(LEDc2-DOUT): length 15
  Bottom w0.203: LEDc3.3 44.78,54.4 34.57,54.4 LEDc2.2
Net-(LEDc3-DOUT): length 15
  Bottom w0.203: LEDc4.3 63.83,54.4 53.62,54.4 LEDc3.2
Net-(LEDc4-DOUT): length 15
  Bottom w0.203: LEDc4.2 72.67,54.4 82.88,54.4 LEDc5.3
Net-(LEDc5-DOUT): length 15
  Bottom w0.203: LEDc5.2 91.72,54.4 101.93,54.4 LEDc6.3
Net-(LEDc6-DOUT): length 21
  Bottom w0.203: 109.82,53.44 110.55,54.18 124.06,54.18 124.86,53.38 126.42,53.38 LEDc7.3
Net-(LEDc7-DOUT): length 34.1
  Top w0.203: v2(150.76,49.98) 151.04,49.7 151.04,45.13 153.58,42.59 153.58,40.43 153.61,40.4 153.61,35.43 v2(153.31,35.13)
  Bottom w0.203: v2(150.76,49.98) 140.23,49.98 139.9,50.3 136.44,50.3 LEDc7.2 ; v2(153.31,35.13) 153.31,34.3
Net-(LEDc8-DIN): length 20.4
  Top w0.203: LEDc8.3 165.15,52.32 165.15,47.12 164.58,46.55 164.58,36.07 LEDd8.2
Net-(LEDd1-DIN): length 15
  Bottom w0.203: 37.68,32.85 36.71,31.88 26.61,31.88 LEDd1.3
Net-(LEDd1-DOUT): length 37.1
  Top w0.203: v2(34.06,35.28) 34.06,16.57 LEDe1.3 ; v2(18.76,35.68) 18.76,34.51
  Bottom w0.203: v2(18.76,35.68) 18.84,35.6 33.74,35.6 v2(34.06,35.28)
Net-(LEDd2-DIN): length 15
  Bottom w0.203: LEDd2.3 45.56,31.98 55.8,31.98 LEDd3.2
Net-(LEDd3-DIN): length 15
  Bottom w0.203: LEDd3.3 64.66,31.93 74.8,31.93 LEDd4.2
Net-(LEDd4-DIN): length 15.1
  Bottom w0.203: LEDd4.3 83.78,31.86 93.78,31.86 LEDd5.2
Net-(LEDd5-DIN): length 25.1
  Bottom w0.203: LEDd5.3 102.66,32.03 123.37,32.03 LEDd6.2
Net-(LEDd6-DIN): length 19.6
  Bottom w0.203: LEDd7.2 147.02,31.93 131.93,31.93 LEDd6.3
Net-(LEDd8-DIN): length 18.4
  Top w0.203: v1(170.76,16.78) 170.76,26.88 171.73,27.85 LEDd8.3
  Bottom w0.203: LEDe6.2 171.73,15.81 v1(170.76,16.78)
Net-(LEDe1-DOUT): length 30.9
  Bottom w0.203: LEDe1.2 42.24,13.86 LEDe2.3
Net-(LEDe2-DOUT): length 14.7
  Bottom w0.203: LEDe7.3 89.48,13.28 78.55,13.28 LEDe2.2
Net-(LEDe3-DIN): length 14.9
  Bottom w0.203: LEDe3.3 108.28,13.03 97.85,13.03 LEDe7.2
Net-(LEDe3-DOUT): length 14.9
  Bottom w0.203: LEDe4.3 127.38,13.08 116.85,13.08 LEDe3.2
Net-(LEDe4-DOUT): length 15.1
  Bottom w0.203: LEDe5.3 144.64,16.45 134.73,16.45 LEDe4.2
Net-(LEDs1-DIN): length 18.5
  Top w0.203: v2(16.86,57.98) 16.86,58.55 15.66,59.75 15.66,72.11 16.43,72.88 v2(16.66,72.88)
  Bottom w0.203: LEDs1.3 17.09,72.45 v2(16.66,72.88) ; v2(16.86,57.98) 15.33,57.98
Net-(LEDs1-DOUT): length 20.2
  Top w0.203: v2(18.96,87.88) 18.96,84.39 17.66,83.09 v2(17.66,74.88)
  Bottom w0.203: LEDs1.2 18.1,74.88 v2(17.66,74.88) ; LEDs5.3 v2(18.96,87.88)
Net-(LEDs2-DIN): length 20.4
  Top w0.203: v2(20.56,40.58) 20.56,51.98 v2(16.86,55.68)
  Bottom w0.203: LEDs3.2 22.45,40.58 v2(20.56,40.58) ; LEDs2.3 16.8,55.74 v2(16.86,55.68)
Net-(LEDs3-DIN): length 23.5
  Top w0.203: v2(23.36,37.58) 25.26,35.68 25.26,30.48 23.71,28.93 23.71,27.23 21.76,25.28 v2(21.76,18.78)
  Bottom w0.203: v2(23.36,37.58) 23.4,37.62 LEDs3.3 ; v2(21.76,18.78) 23.07,18.78
Net-(LEDs5-DOUT): length 23.5
  Bottom w0.203: LEDs7.3 48.63,88.81 27.09,88.81 26.66,88.38
Net-(LEDs6-DIN): length 26.4
  Bottom w0.203: LEDs6.3 33.66,16.58 46.96,16.58 48.11,15.43 50.91,15.43 51.86,16.38 56.76,16.38 57.46,15.68
Net-(LEDs7-DOUT): length 24.8
  Bottom w0.203: LEDs9.3 74.97,88.81 52.39,88.81 51.76,88.18
Net-(LEDs10-DIN): length 32.7
  Bottom w0.203: LEDs10.3 88.06,16.68 117.76,16.68 118.76,15.68
Net-(LEDs10-DOUT): length 26
  Bottom w0.203: LEDs8.3 60.76,16.68 83.76,16.68 84.76,15.68
Net-(LEDs11-DIN): length 25
  Top w0.203: v2(90.16,87.58) 91.06,88.48 v2(98.86,88.48)
  Bottom w0.203: v2(90.16,87.58) 89.95,87.79 81.35,87.79 80.16,88.98 78.73,88.98 78.1,88.35 ; LEDs11.3 101.02,88.48 v2(98.86,88.48)
Net-(LEDs11-DOUT): length 26.3
  Bottom w0.203: LEDs13.3 126.26,87.88 124.26,89.88 116.36,89.88 114.56,88.07 106.76,88.07 105.66,86.98 104.06,86.98 103.82,87.22 LEDs11.2
Net-(LEDs12-DIN): length 38.7
  Bottom w0.203: LEDs14.2 155.76,14.38 155.56,14.18 154.46,14.18 153.57,15.07 153.57,15.8 152.59,16.78 121.16,16.78 120.96,16.58 LEDs12.3
Net-(LEDs13-DOUT): length 24.2
  Top w0.203: v2(150.76,87.88) v2(148.76,87.88)
  Bottom w0.203: v2(148.76,87.88) 148.57,88.07 133.56,88.07 132.56,87.08 129.96,87.08 129.54,87.5 ; LEDs15.3 v2(150.76,87.88)
Net-(LEDs14-DIN): length 10
  Top w0.203: v1(157.56,14.18) 157.96,14.58 157.96,18.58 v1(157.76,18.78)
  Bottom w0.203: LEDs19.2 157.53,18.54 v1(157.76,18.78) ; LEDs14.3 157.96,14.58 v1(157.56,14.18)
Net-(LEDs15-DOUT): length 7.3
  Top w0.203: v1(155.26,89.18) 155.16,89.08 155.16,84.68 v1(155.01,84.53)
  Bottom w0.203: LEDs16.3 155.01,84.23 v1(155.01,84.53) ; v1(155.26,89.18) LEDs15.2
Net-(LEDs16-DOUT): length 24.5
  Top w0.203: v2(155.66,81.38) 155.26,80.98 155.26,76.08 153.26,74.08 v2(153.26,60.28)
  Bottom w0.203: LEDs17.3 v2(153.26,60.28) ; v2(155.66,81.38) LEDs16.2
Net-(LEDs17-DOUT): length 21.2
  Top w0.203: v2(154.36,42.38) 154.36,42.98 153.16,44.18 153.16,46.48 156.96,50.28 v1(156.96,58.08)
  Bottom w0.203: LEDs18.3 154.3,42.32 v2(154.36,42.38) ; LEDs17.2 v1(156.96,58.08)
Net-(LEDs18-DOUT): length 23.3
  Top w0.203: v2(156.76,39.38) 156.63,39.24 156.63,32.31 157.26,31.68 157.26,22.58 v2(155.46,20.78)
  Bottom w0.203: 154.3,20.74 155.43,20.74 v2(155.46,20.78) ; v2(156.76,39.38) LEDs18.2
Net-(Q1-B): length 13.3
  Top w0.203: v2(87.46,102.18) v2(87.46,104.48)
  Bottom w0.203: v2(87.46,104.48) Q1.2 Q1.3 85.1,105.13 ; SW1.1 80.4,101.69 85.73,101.69 SW1.1 v2(87.46,102.18)
Net-(Q2-C-Pad6): length 1.5
  Bottom w0.203: R9.1 74.91,105.46 Q2.6
Net-(Q3-G): length 7.2
  Top w0.203: v2(121.36,100.08) 121.66,100.38 125.26,100.38 v2(125.76,99.88)
  Bottom w0.203: v2(125.76,99.88) 126.17,99.88 126.71,99.34 ; Q3.1 121.31,100.13 v2(121.36,100.08)

## Copper pours and planes (outline as drawn; the poured copper is in the pictures)
GND on Top: -12.2,-13.74 191,-13.74 191,131.04 -12.2,131.04
GND on Bottom: 191,-13.74 -12.2,-13.74 -12.2,131.04 191,131.04

## Text on the board
B.Silkscreen: REV1 | Lakemountain Keyboards 2023 Martin Hinnerson
F.Silkscreen: Lakemountain Keyboards 2023 Martin Hinnerson | REV1
